# Altium PCB MOTHER_BOARD_LS1021_v1.0.PcbDoc (part 7 of 15)
Units mm, origin at the board's own origin, x right, y up, seen from the top; angles counter-clockwise.
Board outline 285 x 90.6 mm, 10 copper layers (TOP, GND1, SIGNAL1, GND+PWR1, POWER1, POWER2, GND+PWR2, SIGNAL2, GND2, BOTTOM), stack 1.739 mm thick; 1099 components, 832 nets, 4657 pads, 2737 vias.
Unrouted connection lines stored in the file: 7.
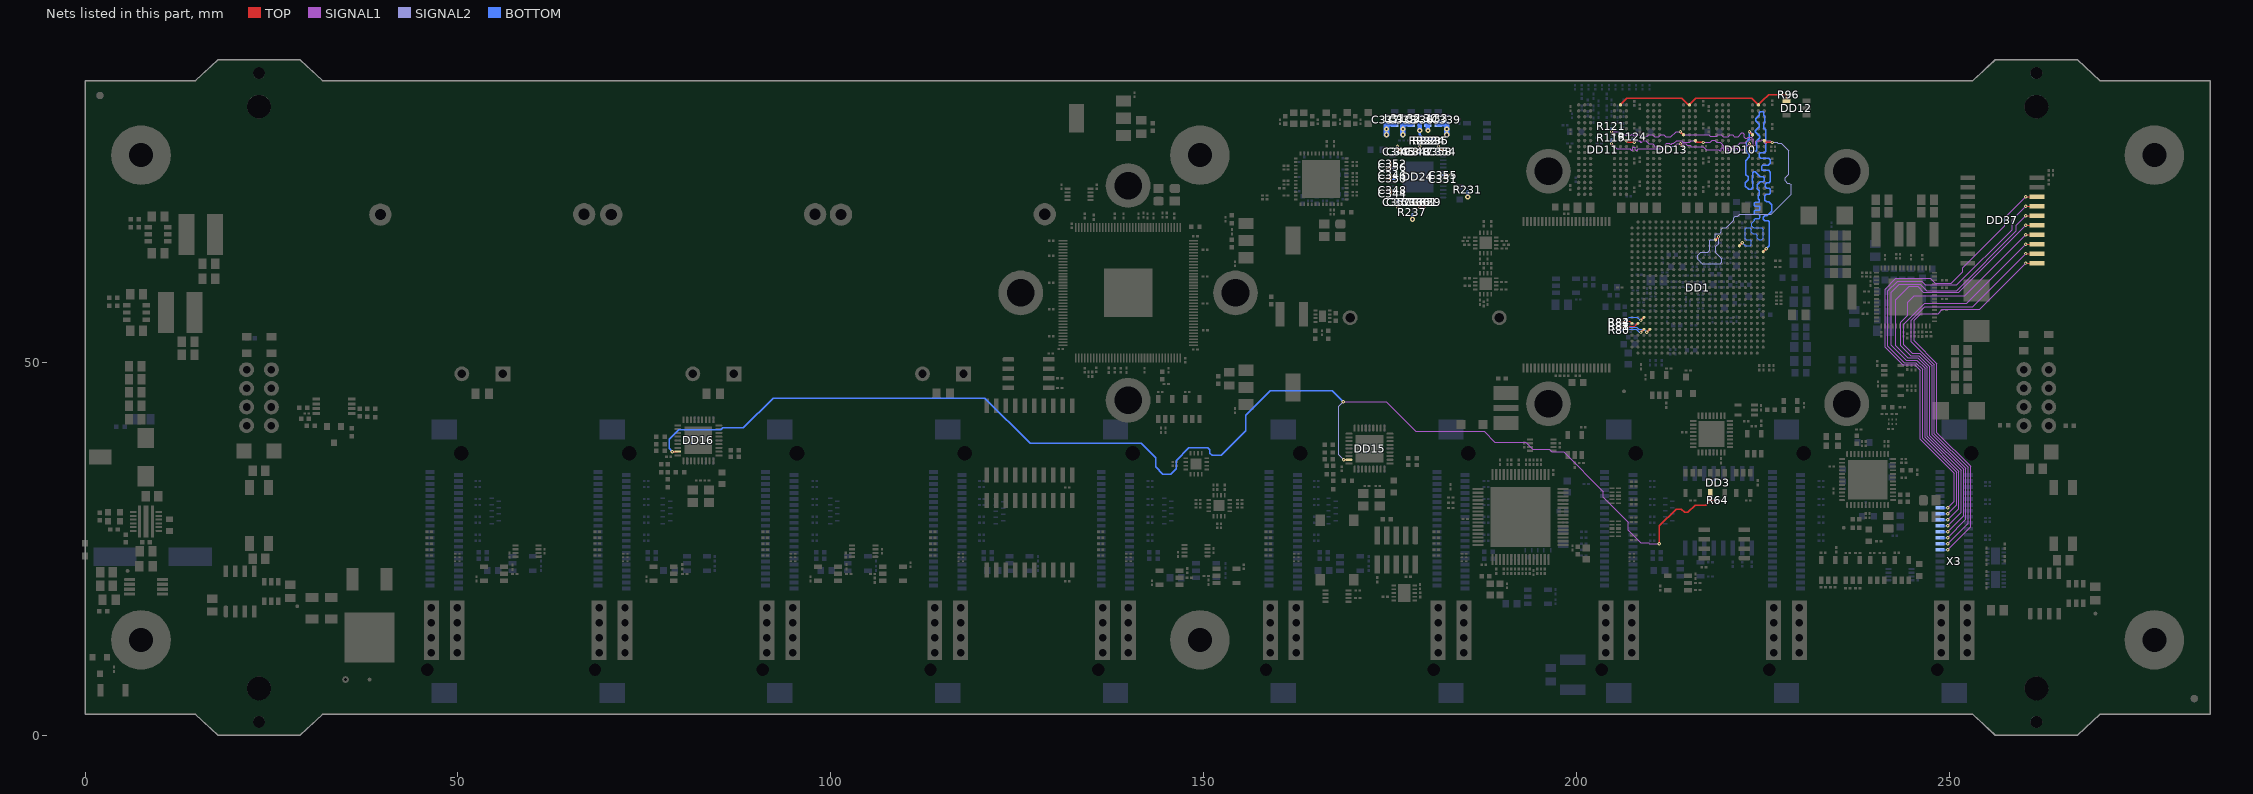
[diagram p15: the nets of this part, all layers, seen from the top]

## Via types
v1: diameter 0.45, hole 0.2, TOP to BOTTOM, tented both sides, 1587 vias
v2: diameter 0.7, hole 0.3, TOP to BOTTOM, tented both sides, 1134 vias
v3: diameter 0.45, hole 0.2, TOP to BOTTOM, tented bottom, 16 vias

## Nets (pads, with @x,y where several pads share a name; then routed paths per layer and width w, separated by ;. In a path a pad name is that pad's centre, name@x,y a point inside that pad or via, vN(x,y) a via of type N, cw(c..) or ccw(c..) an arc to the next point about the centre after c; other vN are vias at no path point) (continued)
DDR_ODT: DD1.R20 DD10.K1 DD11.K1 DD13.K1 R124.1 | length 62
  TOP w0.196: DD11.K1@206.7,79.75 206.95,79.5 v1(207.75,79.5) ; DD13.K1@215.95,79.75 216.2,79.5 v1(217,79.5) ; DD1.R20@218.65,66.45 v1(219.05,66.85) ; DD10.K1@225.2,79.75 225.45,79.5 v1(226.25,79.5)
  SIGNAL1 w0.113: v1(207.75,79.5) 207.981,79.731 208.463,79.731 208.526,79.669 208.526,79.578 208.588,79.516 208.776,79.516 208.839,79.578 208.839,79.669 208.901,79.731 209.308,79.731 209.715,79.325 210.225,79.325 210.6,78.95 210.884,78.95 210.98,79.046 211.168,79.046 211.264,78.95 211.7,78.95 212.125,79.375 212.418,79.375 212.48,79.312 212.48,79.297 212.543,79.234 212.731,79.234 212.793,79.297 212.793,79.312 212.856,79.375 213.075,79.375 213.431,79.731 214.108,79.731 214.284,79.555 215.216,79.555 215.392,79.731 215.708,79.731 215.939,79.5 v1(217,79.5) 217.943,79.5 218.218,79.775 218.525,79.775 218.787,79.512 219.262,79.512 219.825,78.95 221.425,78.95 221.95,79.475 222.65,79.475 222.925,79.75 223.268,79.75 223.34,79.823 223.34,79.91 223.413,79.983 223.631,79.983 223.703,79.91 223.703,79.236 223.776,79.163 223.994,79.163 224.066,79.236 224.066,79.677 224.139,79.75 224.778,79.75 224.865,79.837 225.083,79.837 225.155,79.764 225.155,79.488 225.228,79.416 225.446,79.416 225.518,79.488 225.518,79.677 225.591,79.75 226,79.75 v1(226.25,79.5)
  SIGNAL2 w0.113: v1(219.05,66.85) 219.05,65.95 218.668,65.568 218.668,64.731 219.475,63.925 219.475,63.45 219.293,63.268 216.856,63.268 216.3,63.825 216.3,64.375 216.7,64.775 217.575,64.775 217.868,65.068 217.868,66.393 217.943,66.468 218.408,66.468 218.631,66.692 218.631,67.191 218.709,67.268 219.208,67.268 219.45,67.51 219.45,67.875 219.625,68.05 220.075,68.05 221.068,69.043 221.068,69.408 221.293,69.632 221.657,69.632 221.925,69.9 226.15,69.9 228.775,72.525 228.775,73.825 228.556,74.043 228.29,74.043 227.993,74.34 227.993,74.76 228.5,75.266 228.5,78.425 227.496,79.429 227.021,79.429 226.95,79.5 v1(226.25,79.5)
  BOTTOM w0.196: R124.1@207.525,79.95 207.75,79.725 v1(207.75,79.5)
DDR_RAS: DD1.AC18 DD10.J3 DD11.J3 DD13.J3 R119.1 | length 60.3
  TOP w0.196: v1(204.7,79.35) DD11.J3@205.1,78.95 ; v1(213.95,79.35) DD13.J3@214.35,78.95 ; v1(223.2,79.35) DD10.J3@223.6,78.95 ; DD1.AC18@225.05,64.85 v1(225.45,65.25)
  SIGNAL1 w0.113: v1(204.7,79.35) 205.381,78.668 207.192,78.668 207.254,78.606 207.254,78.509 207.317,78.447 207.505,78.447 207.567,78.509 207.567,78.802 207.63,78.864 207.818,78.864 207.88,78.802 207.88,78.546 207.943,78.483 208.131,78.483 208.193,78.546 208.193,78.606 208.256,78.668 211.868,78.668 212.213,79.013 213.163,79.013 213.5,79.35 v1(213.95,79.35) 213.957,79.342 214.632,79.342 214.875,79.1 215.26,79.1 215.418,78.943 216.982,78.943 217.425,78.5 219.065,78.5 219.126,78.438 ; 219.126,78.441 219.126,78.455 ; 219.126,78.458 219.189,78.395 219.377,78.395 219.439,78.458 219.439,78.703 219.502,78.765 219.69,78.765 219.752,78.703 219.752,78.458 219.815,78.395 220.003,78.395 220.065,78.458 220.065,78.655 220.128,78.717 220.316,78.717 220.378,78.655 220.378,78.458 220.441,78.395 220.629,78.395 220.691,78.458 220.691,78.655 220.754,78.717 220.942,78.717 221.004,78.655 221.004,78.458 221.067,78.395 221.255,78.395 221.317,78.458 221.317,78.655 221.38,78.717 221.568,78.717 221.63,78.655 221.63,78.438 221.693,78.375 221.881,78.375 222.005,78.5 222.35,78.5 v1(223.2,79.35)
  BOTTOM w0.196: v1(204.7,79.35) R119.1@204.7,79.825 ; v1(223.2,79.35) 223.2,78.525 223.425,78.3 224.05,78.3 224.2,78.45 224.2,79.752 224.575,80.127 224.575,80.35 224,80.925 224,81.1 224.525,81.625 224.525,81.95 224.05,82.425 224.05,82.7 224.525,83.175 224.525,83.5 224.675,83.65 225.05,83.65 225.125,83.575 225.125,83.175 225.275,83.025 225.275,82.225 225.125,82.075 225.125,81.425 225.375,81.175 225.375,78.3 225.2,78.125 224.675,78.125 224.525,77.975 224.525,77.575 224.701,77.399 225.776,77.399 226.023,77.152 226.023,76.723 225.75,76.45 224.95,76.45 224.825,76.325 224.825,75.875 224.927,75.773 225.775,75.773 226.023,75.525 226.023,74.273 225.827,74.077 225.527,74.077 225.325,73.875 225.325,73.55 225.5,73.375 225.873,73.375 226.023,73.225 226.023,72.673 225.877,72.527 225.477,72.527 225.275,72.325 225.275,71.75 225.5,71.525 225.821,71.525 226.173,71.173 226.173,70.272 225.875,69.974 225.55,69.65 225.275,69.65 225.075,69.45 225.075,69.2 225.25,69.025 225.7,69.025 225.875,68.85 225.875,65.675 v1(225.45,65.25)
DDR_RST: DD10.T2 DD11.T2 DD12.4 DD13.T2 R96.2 | length 25.1
  TOP w0.196: DD11.T2@205.9,84.55 206.773,85.423 214.152,85.423 215.025,84.55 DD13.T2@215.15,84.55 216.025,85.425 223.525,85.425 DD10.T2@224.4,84.55 224.925,85.075 225.775,85.925 R96.2@228.15,85.925 DD12.4@228.15,85.075
DDR_WE: DD1.W19 DD10.L3 DD11.L3 DD13.L3 R121.1 | length 60.2
  TOP w0.196: v1(204.7,80.95) DD11.L3@205.1,80.55 ; v1(213.95,80.95) DD13.L3@214.35,80.55 ; DD1.W19@221.85,65.65 v1(222.25,66.05) ; v1(223.2,80.95) DD10.L3@223.6,80.55
  SIGNAL1 w0.113: v1(204.7,80.95) 205.7,80.95 206.081,80.568 206.967,80.568 207.029,80.506 207.029,80.504 207.092,80.442 207.28,80.442 207.342,80.504 207.342,80.571 207.405,80.633 207.593,80.633 207.655,80.571 207.655,80.425 207.718,80.362 207.906,80.362 207.968,80.425 207.968,80.506 208.031,80.568 208.356,80.568 208.6,80.325 209.5,80.325 209.706,80.531 210.218,80.531 210.5,80.25 211.05,80.25 211.331,80.531 211.718,80.531 212,80.25 212.675,80.25 213.375,80.95 v1(213.95,80.95) 214.331,80.568 217.756,80.568 217.975,80.35 218.8,80.35 218.981,80.531 219.443,80.531 219.712,80.262 219.847,80.262 ; 219.847,80.262 220.288,80.262 ; 220.289,80.262 220.373,80.262 220.642,80.531 220.958,80.531 221.189,80.3 221.676,80.3 222.151,80.775 222.325,80.775 222.525,80.575 222.525,80.175 222.65,80.05 222.9,80.05 223.05,80.2 223.5,80.2 223.7,80.4 223.7,80.625 223.375,80.95 v1(223.2,80.95)
  BOTTOM w0.149: v1(222.25,66.05) 222.65,65.65 223.325,65.65 223.45,65.775 223.45,66.325 223.325,66.449 223.075,66.449 ; 223.075,66.45 222.8,66.45 222.65,66.6 222.65,67.9 222.8,68.05 223.25,68.05 223.449,67.85 223.449,67.575 223.45,67.574 223.45,67.485 223.685,67.25 223.724,67.25 223.725,67.249 224.015,67.249 224.249,67.015 224.249,66.901 224.25,66.9 224.25,66.685 224.484,66.45 224.85,66.45 225.05,66.65 225.05,67.825 224.824,68.05 223.749,68.05 223.5,68.3 223.5,68.65 223.85,69
  BOTTOM w0.196: v1(204.7,80.95) R121.1@204.7,81.4 ; v1(223.2,80.95) 223.2,80 222.75,79.55 222.75,78.4 223.2,77.95 223.2,77.575 222.7,77.075 222.7,75.2 223.025,74.875 223.025,74.5 222.65,74.125 222.65,73.65 223.1,73.2 223.425,73.2 223.625,73.4 223.625,74.327 223.55,74.402 223.55,74.698 223.625,74.773 223.625,75.425 223.775,75.575 223.95,75.575 224.65,74.875 225.075,74.875 225.175,74.775 225.175,74.4 225.025,74.25 224.675,74.25 224.225,73.8 224.225,73.323 224.525,73.023 224.525,72.489 224.377,72.341 224.377,71.975 224.5,71.852 224.5,71.575 224.425,71.5 223.95,71.5 223.85,71.4 223.85,71.075 223.95,70.975 224.5,70.975 224.575,70.9 224.575,70.5 224.5,70.425 223.95,70.425 223.85,70.325 223.85,69.975 223.95,69.875 224.45,69.875 224.575,69.75 224.575,69.375 224.5,69.3 223.95,69.3 223.85,69.2 223.85,69
DOUT1: DD37.18 X3.27 | length 62.4
  TOP w0.149: v1(260.275,72.225) DD37.18@261.775,72.225
  SIGNAL1 w0.113: v1(249.775,30.5) 250.659,31.384 250.659,35.157 246.133,39.683 246.133,48.938 245.398,49.673 243.776,49.673 241.399,52.05 241.399,59.844 242.835,61.28 247.462,61.28 248.099,60.643 248.783,60.643 250.258,60.643 251.808,62.194 251.808,62.693 257.459,68.343 257.459,69.409 v1(260.275,72.225)
  BOTTOM w0.149: X3.27@248.775,30.5 v1(249.775,30.5)
DOUT2: DD37.17 X3.25 | length 62
  TOP w0.149: v1(260.275,70.955) DD37.17@261.775,70.955
  SIGNAL1 w0.113: v1(249.775,29.7) 250.972,30.897 250.972,35.287 246.446,39.813 246.446,49.068 245.528,49.986 243.968,49.986 241.764,52.19 241.764,59.607 243.056,60.899 246.278,60.899 246.77,60.406 251.022,60.406 258.434,67.818 258.434,69.114 v1(260.275,70.955)
  BOTTOM w0.149: X3.25@248.775,29.7 v1(249.775,29.7)
DOUT3: DD37.16 X3.23 | length 61.7
  TOP w0.149: v1(260.275,69.685) DD37.16@261.775,69.685
  SIGNAL1 w0.113: v1(249.775,28.9) 251.285,30.41 251.285,35.416 246.759,39.942 246.759,49.198 245.658,50.299 244.202,50.299 242.22,52.281 242.22,59.42 243.29,60.49 246.12,60.49 246.969,59.64 250.98,59.64 259,67.661 259,68.41 v1(260.275,69.685)
  BOTTOM w0.149: X3.23@248.775,28.9 v1(249.775,28.9)
DOUT4: DD37.15 X3.21 | length 60.2
  TOP w0.149: v1(260.275,68.415) DD37.15@261.775,68.415
  SIGNAL1 w0.113: v1(249.775,28.1) 251.598,29.923 251.598,35.546 247.072,40.072 247.072,49.327 245.787,50.612 244.457,50.612 242.818,52.251 242.818,58.405 244.62,60.206 245.743,60.206 246.532,59.417 251.277,59.417 v1(260.275,68.415)
  BOTTOM w0.149: X3.21@248.775,28.1 v1(249.775,28.1)
DOUT5: DD37.14 X3.19 | length 58.2
  TOP w0.149: v1(260.275,67.145) DD37.14@261.775,67.145
  SIGNAL1 w0.113: v1(249.775,27.3) 251.911,29.436 251.911,35.675 247.385,40.202 247.385,49.457 245.917,50.925 244.851,50.925 243.506,52.271 243.506,55.421 244.418,56.334 244.418,58.06 245.294,58.935 252.065,58.935 v1(260.275,67.145)
  BOTTOM w0.149: X3.19@248.775,27.3 v1(249.775,27.3)
DOUT6: DD37.13 X3.17 | length 57.1
  TOP w0.149: v1(260.275,65.875) DD37.13@261.775,65.875
  SIGNAL1 w0.113: v1(249.775,26.5) 252.224,28.949 252.224,35.805 247.698,40.331 247.698,49.587 246.047,51.238 245.02,51.238 243.868,52.39 243.868,55.117 246.679,57.928 252.328,57.928 v1(260.275,65.875)
  BOTTOM w0.149: X3.17@248.775,26.5 v1(249.775,26.5)
DOUT7: DD37.12 X3.15 | length 55.8
  TOP w0.149: v1(260.275,64.605) DD37.12@261.775,64.605
  SIGNAL1 w0.113: v1(249.775,25.7) 252.537,28.462 252.537,35.935 248.011,40.461 248.011,49.716 244.919,52.808 244.919,55.657 246.741,57.478 253.148,57.478 v1(260.275,64.605)
  BOTTOM w0.149: X3.15@248.775,25.7 v1(249.775,25.7)
DOUT8: DD37.11 X3.13 | length 55.8
  TOP w0.149: v1(260.275,63.335) DD37.11@261.775,63.335
  SIGNAL1 w0.113: v1(249.775,24.9) 252.85,27.975 252.85,36.064 248.324,40.59 248.324,49.846 245.275,52.895 245.275,55.642 246.194,56.56 248.499,56.56 249.08,57.141 254.081,57.141 v1(260.275,63.335)
  BOTTOM w0.149: X3.13@248.775,24.9 v1(249.775,24.9)
eth_1V0: C339.2 C346.1 C350.1 C354.1 C358.1 C360.1 C362.1 DD24.6 DD24.24 DD24.42 L33.2 | length 7.5
  TOP w0.3: v1(174.65,74.625) C350.1@175.1,74.625 C346.1@175.1,75.125 ; C360.1@178.5,71.225 C362.1@179,71.225 v1(179,70.775) ; v1(181.5,78.975) C358.1@181.5,78.55 C354.1@182.025,78.55
  BOTTOM w0.25: v1(174.65,74.625) DD24.6@175.35,74.625 ; v1(179,70.775) DD24.42@179,71.475 ; DD24.24@181.5,78.275 v1(181.5,78.975)
  BOTTOM w0.75: L33.2@181.475,82.025 C339.2@182.6,82.025 v2(182.6,80.55)
  other v2: 182.6,81.325
eth_1V8: C338.2 C345.1 C349.1 C353.1 C357.1 DD24.13 DD24.48 L32.2 | length 5.9
  TOP w0.3: v1(176,70.775) C357.1@176,71.225 C353.1@176.5,71.225 ; v1(176,78.975) C349.1@176,78.525 C345.1@176.5,78.525
  BOTTOM w0.25: v1(176,70.775) DD24.48@176,71.475 ; DD24.13@176,78.275 v1(176,78.975)
  BOTTOM w0.75: v2(176.725,80.55) 176.725,82.025 L32.2@177.85,82.025
  other v2: 176.725,81.325
eth_AVDDH: C337.2 C344.1 C348.1 C352.1 C356.1 DD24.3 DD24.9 L31.2 | length 6
  TOP w0.3: v1(174.625,76.125) 175.075,76.125 C356.1@175.1,76.15 C352.1@175.1,76.65 ; v1(174.65,73.125) C348.1@175.1,73.125 C344.1@175.1,72.6
  BOTTOM w0.25: v1(174.625,76.125) DD24.9@175.35,76.125 ; v1(174.65,73.125) DD24.3@175.35,73.125
  BOTTOM w0.75: v2(174.525,80.55) 174.525,82.025 L31.2@175.65,82.025
  other v2: 174.525,81.325
eth_DVDDH: C336.2 C343.1 C347.1 C351.1 C355.1 C359.1 C361.1 DD24.19 DD24.30 DD24.41 L30.2 R231.2 R232.1 R233.1 R234.1 R235.1 R237.2 | length 11
  TOP w0.3: C343.1@178.5,78.525 C347.1@179,78.525 ; C347.1@179,78.525 v1(179,78.975) ; v1(179.55,70.775) 179.55,71.175 C361.1@179.5,71.225 C359.1@180,71.225 ; C351.1@182.4,74.6 C355.1@182.4,75.125 v1(182.85,75.125)
  BOTTOM w0.25: DD24.19@179,78.275 v1(179,78.975) ; DD24.41@179.5,71.475 179.5,70.825 v1(179.55,70.775) ; DD24.30@182.15,75.125 v1(182.85,75.125)
  BOTTOM w0.3: v2(178,69.2) R237.2@178,69.85 ; v2(178.975,81.125) 178.975,80.525 R232.1@179.5,80 R233.1@180,80 R234.1@180.5,80 R235.1@181,80 ; v2(185.425,72.175) R231.2@185.425,72.875
  BOTTOM w0.6: v2(178.975,81.125) C336.2@178.975,82.025 ; v2(180.075,81.125) L30.2@180.075,82.025
EVT0: DD1.C5 R80.1 | length 3.4
  TOP w0.196: v1(208.65,54.05) DD1.C5@209.05,54.45
  BOTTOM w0.149: R80.1@206.025,54.3 206.075,54.3 206.224,54.449 208.026,54.449 208.425,54.05 v1(208.65,54.05)
EVT1: DD1.D5 R81.1 | length 4.3
  TOP w0.196: v1(209.45,54.05) DD1.D5@209.85,54.45
  BOTTOM w0.149: R81.1@206.025,54.85 206.075,54.85 206.199,54.725 208,54.725 208.102,54.725 208.377,54.45 209.05,54.45 v1(209.45,54.05)
EVT2: DD1.A6 R82.1 | length 1.6
  TOP w0.15: R82.1@206.025,55.375 206.075,55.375 206.225,55.525 207.175,55.525 DD1.A6@207.45,55.25
EVT3: DD1.B6 R83.1 | length 2.5
  TOP w0.149: R83.1@206.025,54.825 206.136,54.714 206.95,54.714 207.086,54.85 207.85,54.85 208.05,55.05
  TOP w0.196: 208.05,55.05 DD1.B6@208.25,55.25
EVT4: DD1.C7 R84.1 | length 3.7
  TOP w0.196: v1(208.65,55.65) DD1.C7@209.05,56.05
  BOTTOM w0.149: R84.1@206.025,55.375 206.385,55.375 207.085,56.075 208.135,56.075 208.437,55.773 208.446,55.773 208.569,55.65 v1(208.65,55.65)
GLOBAL_RESET: DD3.4 DD15.26 DD16.26 R64.2 | length 181.5
  TOP w0.196: v1(78.75,38.05) DD16.26@79.5,38.05 ; v1(168.783,36.952) DD15.26@169.5,36.95 ; v1(211.127,25.708) 211.127,28.09 213.362,30.325 214.087,30.325 214.512,29.9 214.95,29.9 215.925,30.875 217.35,30.875 217.975,31.5 ; DD3.4@217.975,32.5 217.975,31.5 ; R64.2@218.625,31.5 217.975,31.5
  SIGNAL1 w0.113: v1(168.725,44.74) 174.46,44.74 178.45,40.75 187.625,40.75 189.075,39.3 193.2,39.3 194.15,38.35 196.326,38.35 196.676,38 198.3,38 203.627,32.673 203.627,31.91 206.932,28.606 206.932,27.532 208.657,25.806 209.694,25.806 209.792,25.708 v1(211.127,25.708)
  SIGNAL2 w0.113: v1(168.725,44.74) 168.102,44.117 168.102,37.633 v1(168.783,36.952)
  BOTTOM w0.196: v1(78.75,38.05) 78.327,38.473 78.327,39.725 79.6,40.998 85.274,40.998 85.515,41.239 88.289,41.239 92.275,45.226 120.67,45.226 126.726,39.17 141.65,39.17 143.575,37.245 143.575,36 144.554,35.021 145.571,35.021 146.3,35.75 146.3,36.825 148.041,38.566 150.534,38.566 150.825,38.275 150.825,37.85 151.15,37.525 152.333,37.525 155.65,40.842 155.65,42.925 158.95,46.225 167.24,46.225 v1(168.725,44.74)